# KiCad board Wonderland.kicad_pcb
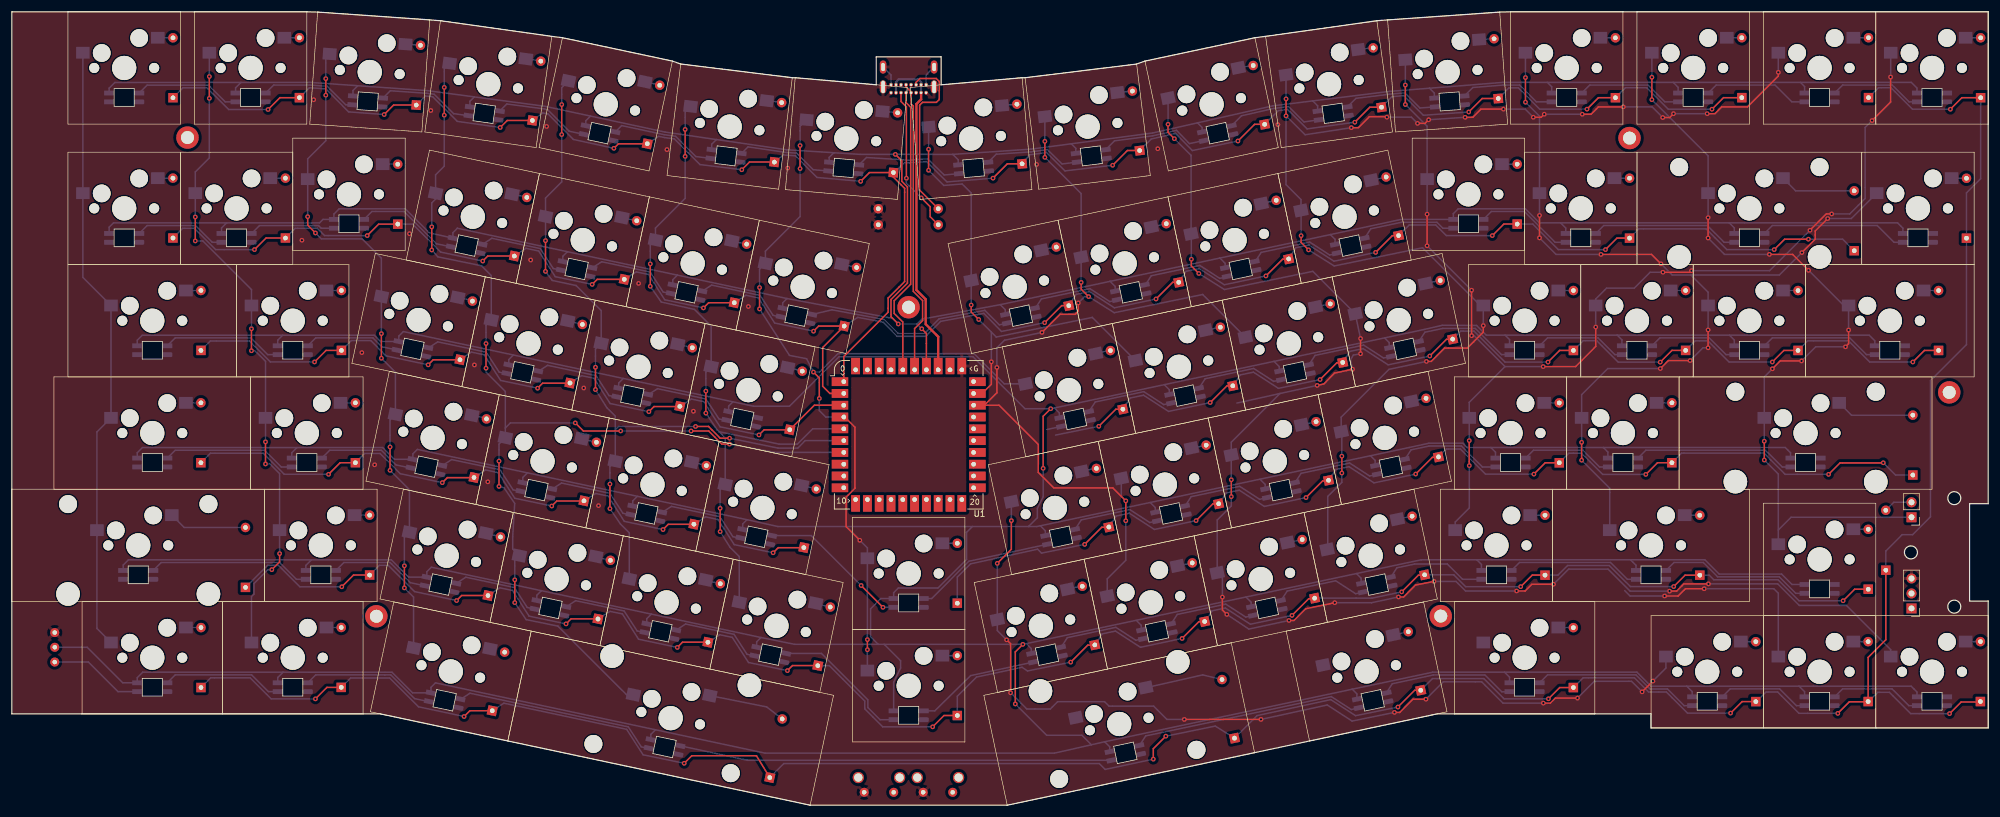
[diagram p0: board, top side]
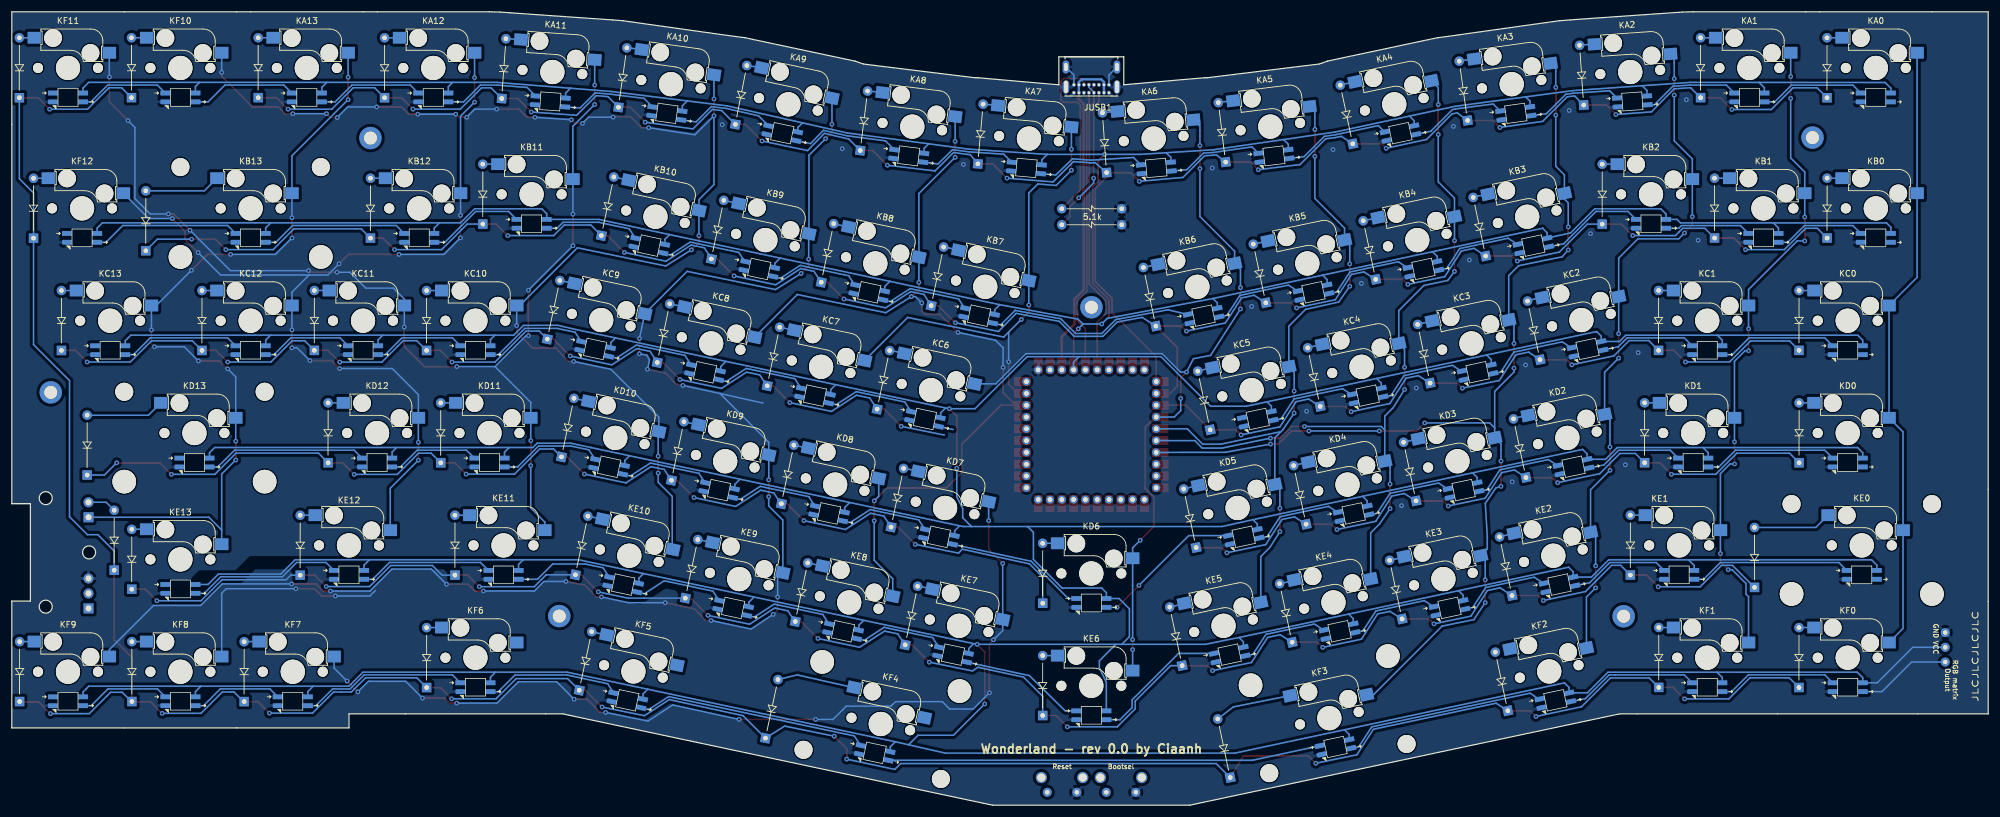
[diagram p1: board, bottom side, seen from below]

Outline 334.99 x 134.55 mm; copper layers: Top, Bottom. Coordinates in mm from the lower left corner of the outline.
Outline path: circle c321.89,42.87 r1.1 ; circle c329.24,52.07 r1.1 ; circle c329.24,33.67 r1.1 ; 0,134.55 0,15.49 62.45,15.49 84.07,10.89 135.32,0 168.72,0 210.65,8.91 241.58,15.49 277.84,15.49 277.84,13.11 334.99,13.11 334.99,34.62 331.84,34.62 331.84,51.12 334.99,51.12 334.99,134.55 254.03,134.55 252.2,134.5 233.2,133.17 231.38,133.04 212.51,130.38 210.7,130.15 192.07,126.19 190.65,125.69 171.75,123.37 171.25,123.37 157.52,122.17 157.52,126.92 146.52,126.92 146.52,122.17 132.79,123.37 132.29,123.37 113.38,125.69 111.97,126.19 93.34,130.15 91.53,130.38 72.66,133.04 70.84,133.17 51.84,134.5 50.01,134.55 0,134.55
Stack: Top 0.035mm / dielectric 1.51mm FR4 er 4.5 / Bottom 0.035mm

## Placement (name value [footprint] x y rotation side)
DA0  D  [Diode_THT]  28.58 118.88 90 top
DA1  D  [Diode_THT]  50.01 118.89 90 top
DA2  D  [Diode_THT]  69.74 117.55 86 top
DA3  D  [Diode_THT]  89.34 114.85 82 top
DA4  D  [Diode_THT]  108.71 110.82 78 top
DA5  D  [Diode_THT]  130.37 107.82 83 top
DA6  D  [Diode_THT]  150.61 106.1 86 top
DA7  D  [Diode_THT]  172.6 107.78 95 top
DA8  D  [Diode_THT]  192.57 110.09 97 top
DA9  D  [Diode_THT]  213.8 114.63 101 top
DA10  D  [Diode_THT]  233.57 117.46 98 top
DA11  D  [Diode_THT]  253.29 118.84 94 top
DA12  D  [Diode_THT]  273.07 118.88 90 top
DA13  D  [Diode_THT]  294.49 118.89 90 top
DB0  D  [Diode_THT]  28.57 95.08 90 top
DB1  D  [Diode_THT]  47.64 95.08 90 top
DB2  D  [Diode_THT]  66.68 97.44 90 top
DB3  D  [Diode_THT]  86.18 91.79 78 top
DB4  D  [Diode_THT]  104.82 87.83 78 top
DB5  D  [Diode_THT]  123.45 83.87 78 top
DB6  D  [Diode_THT]  142.09 79.91 78 top
DB7  D  [Diode_THT]  180.62 83.9 102 top
DB8  D  [Diode_THT]  199.26 87.87 102 top
DB9  D  [Diode_THT]  217.89 91.83 102 top
DB10  D  [Diode_THT]  236.52 95.79 102 top
DB11  D  [Diode_THT]  256.42 97.45 90 top
DB12  D  [Diode_THT]  275.46 95.07 90 top
DB13  D  [Diode_THT]  313.54 92.93 90 top
DC0  D  [Diode_THT]  33.32 76.03 90 top
DC1  D  [Diode_THT]  57.13 76.03 90 top
DC2  D  [Diode_THT]  76.97 74.22 78 top
DC3  D  [Diode_THT]  95.61 70.26 78 top
DC4  D  [Diode_THT]  114.24 66.29 78 top
DC5  D  [Diode_THT]  132.87 62.33 78 top
DC6  D  [Diode_THT]  189.79 66.35 102 top
DC7  D  [Diode_THT]  208.42 70.31 102 top
DC8  D  [Diode_THT]  227.05 74.27 102 top
DC9  D  [Diode_THT]  245.69 78.23 102 top
DC10  D  [Diode_THT]  265.95 76.02 90 top
DC11  D  [Diode_THT]  284.97 76.03 90 top
DC12  D  [Diode_THT]  304.02 76.02 90 top
DC13  D  [Diode_THT]  327.84 76.02 90 top
DD0  D  [Diode_THT]  33.31 56.98 90 top
DD1  D  [Diode_THT]  59.5 56.98 90 top
DD2  D  [Diode_THT]  79.35 54.23 78 top
DD3  D  [Diode_THT]  97.99 50.27 78 top
DD4  D  [Diode_THT]  116.62 46.31 78 top
DD5  D  [Diode_THT]  135.26 42.35 78 top
DD6  D  [Diode_THT]  161.52 33.16 90 top
DD7  D  [Diode_THT]  187.42 46.36 102 top
DD8  D  [Diode_THT]  206.02 50.31 102 top
DD9  D  [Diode_THT]  224.65 54.29 102 top
DD10  D  [Diode_THT]  243.29 58.25 102 top
DD11  D  [Diode_THT]  263.55 56.97 90 top
DD12  D  [Diode_THT]  282.64 56.98 90 top
DD13  D  [Diode_THT]  323.48 54.89 90 top
DE0  D  [Diode_THT]  40.87 35.84 90 top
DE1  D  [Diode_THT]  61.91 37.93 90 top
DE2  D  [Diode_THT]  81.72 34.21 78 top
DE3  D  [Diode_THT]  100.36 30.25 78 top
DE4  D  [Diode_THT]  118.99 26.29 78 top
DE5  D  [Diode_THT]  137.63 22.33 78 top
DE6  D  [Diode_THT]  161.52 14.11 90 top
DE7  D  [Diode_THT]  185.03 26.38 102 top
DE8  D  [Diode_THT]  203.66 30.34 102 top
DE9  D  [Diode_THT]  222.29 34.3 102 top
DE10  D  [Diode_THT]  240.93 38.26 102 top
DE11  D  [Diode_THT]  261.14 37.92 90 top
DE12  D  [Diode_THT]  287.37 37.91 90 top
DE13  D  [Diode_THT]  315.92 35.53 90 top
DF0  D  [Diode_THT]  33.33 18.86 90 top
DF1  D  [Diode_THT]  57.1 18.88 90 top
DF2  D  [Diode_THT]  82.43 14.68 78 top
DF3  D  [Diode_THT]  129.48 3.35 78 top
DF4  D  [Diode_THT]  208.71 10.56 102 top
DF5  D  [Diode_THT]  240.28 18.68 102 top
DF6  D  [Diode_THT]  265.94 18.85 90 top
DF7  D  [Diode_THT]  296.87 16.47 90 top
DF8  D  [Diode_THT]  315.9 16.48 90 top
DF9  D  [Diode_THT]  334.93 16.48 90 top
DF10  D  [Diode_THT]  315.97 118.89 90 top
DF11  D  [Diode_THT]  334.97 118.88 90 top
DF12  D  [Diode_THT]  332.57 95.06 90 top
DF13  D  [Diode_THT]  318.9 38.76 90 top
J1  Conn_01x03  [PinHeader_1x03_P2.54mm_Vertical]  321.99 33.37 180 top
J2  Conn_01x02  [PinHeader_1x02_P2.54mm_Vertical]  321.99 48.83 180 top
J4  Conn_01x03  [conn_3pins]  7.28 26.78 90 top
JUSB1  USB Port  [GCT_USB4085-GF-A_REVA4]  152 124.85 0 bottom
KA0  KEY_SW  [SW_Cherry_MX_1.00u_SK6812MINI-E_Hotswap]  9.52 134.55 0 top
KA1  KEY_SW  [SW_Cherry_MX_1.00u_SK6812MINI-E_Hotswap]  30.96 134.55 0 top
KA2  KEY_SW  [SW_Cherry_MX_1.00u_SK6812MINI-E_Hotswap]  51.84 134.5 356 top
KA3  KEY_SW  [SW_Cherry_MX_1.00u_SK6812MINI-E_Hotswap]  72.66 133.04 352 top
KA4  KEY_SW  [SW_Cherry_MX_1.00u_SK6812MINI-E_Hotswap]  93.34 130.15 348 top
KA5  KEY_SW  [SW_Cherry_MX_1.00u_SK6812MINI-E_Hotswap]  113.38 125.69 353 top
KA6  KEY_SW  [SW_Cherry_MX_1.00u_SK6812MINI-E_Hotswap]  132.79 123.37 355 top
KA7  KEY_SW  [SW_Cherry_MX_1.00u_SK6812MINI-E_Hotswap]  152.27 121.71 5 top
KA8  KEY_SW  [SW_Cherry_MX_1.00u_SK6812MINI-E_Hotswap]  171.75 123.37 7 top
KA9  KEY_SW  [SW_Cherry_MX_1.00u_SK6812MINI-E_Hotswap]  192.07 126.19 12 top
KA10  KEY_SW  [SW_Cherry_MX_1.00u_SK6812MINI-E_Hotswap]  212.51 130.38 8 top
KA11  KEY_SW  [SW_Cherry_MX_1.00u_SK6812MINI-E_Hotswap]  233.2 133.17 4 top
KA12  KEY_SW  [SW_Cherry_MX_1.00u_SK6812MINI-E_Hotswap]  254.03 134.55 0 top
KA13  KEY_SW  [SW_Cherry_MX_1.00u_SK6812MINI-E_Hotswap]  275.46 134.55 0 top
KB0  KEY_SW  [SW_Cherry_MX_1.00u_SK6812MINI-E_Hotswap]  9.52 110.74 0 top
KB1  KEY_SW  [SW_Cherry_MX_1.00u_SK6812MINI-E_Hotswap]  28.58 110.74 0 top
KB2  KEY_SW  [SW_Cherry_MX_1.00u_SK6812MINI-E_Hotswap]  47.62 113.12 0 top
KB3  KEY_SW  [SW_Cherry_MX_1.00u_SK6812MINI-E_Hotswap]  70.8 111.09 348 top
KB4  KEY_SW  [SW_Cherry_MX_1.00u_SK6812MINI-E_Hotswap]  89.44 107.13 348 top
KB5  KEY_SW  [SW_Cherry_MX_1.00u_SK6812MINI-E_Hotswap]  108.07 103.17 348 top
KB6  KEY_SW  [SW_Cherry_MX_1.00u_SK6812MINI-E_Hotswap]  126.71 99.21 348 top
KB7  KEY_SW  [SW_Cherry_MX_1.00u_SK6812MINI-E_Hotswap]  158.7 95.25 12 top
KB8  KEY_SW  [SW_Cherry_MX_1.00u_SK6812MINI-E_Hotswap]  177.33 99.21 12 top
KB9  KEY_SW  [SW_Cherry_MX_1.00u_SK6812MINI-E_Hotswap]  195.97 103.17 12 top
KB10  KEY_SW  [SW_Cherry_MX_1.00u_SK6812MINI-E_Hotswap]  214.6 107.13 12 top
KB11  KEY_SW  [SW_Cherry_MX_1.00u_SK6812MINI-E_Hotswap]  237.36 113.12 0 top
KB12  KEY_SW  [SW_Cherry_MX_1.00u_SK6812MINI-E_Hotswap]  256.41 110.74 0 top
KB13  KEY_SW  [SW_Cherry_MX_2.00u_SK6812MINI-E_Hotswap]  275.46 110.74 0 top
KC0  KEY_SW  [SW_Cherry_MX_1.50u_SK6812MINI-E_Hotswap]  9.52 91.69 0 top
KC1  KEY_SW  [SW_Cherry_MX_1.00u_SK6812MINI-E_Hotswap]  38.1 91.69 0 top
KC2  KEY_SW  [SW_Cherry_MX_1.00u_SK6812MINI-E_Hotswap]  61.61 93.57 348 top
KC3  KEY_SW  [SW_Cherry_MX_1.00u_SK6812MINI-E_Hotswap]  80.24 89.61 348 top
KC4  KEY_SW  [SW_Cherry_MX_1.00u_SK6812MINI-E_Hotswap]  98.88 85.65 348 top
KC5  KEY_SW  [SW_Cherry_MX_1.00u_SK6812MINI-E_Hotswap]  117.51 81.69 348 top
KC6  KEY_SW  [SW_Cherry_MX_1.00u_SK6812MINI-E_Hotswap]  167.89 77.73 12 top
KC7  KEY_SW  [SW_Cherry_MX_1.00u_SK6812MINI-E_Hotswap]  186.53 81.69 12 top
KC8  KEY_SW  [SW_Cherry_MX_1.00u_SK6812MINI-E_Hotswap]  205.16 85.65 12 top
KC9  KEY_SW  [SW_Cherry_MX_1.00u_SK6812MINI-E_Hotswap]  223.79 89.61 12 top
KC10  KEY_SW  [SW_Cherry_MX_1.00u_SK6812MINI-E_Hotswap]  246.89 91.69 0 top
KC11  KEY_SW  [SW_Cherry_MX_1.00u_SK6812MINI-E_Hotswap]  265.94 91.69 0 top
KC12  KEY_SW  [SW_Cherry_MX_1.00u_SK6812MINI-E_Hotswap]  284.99 91.69 0 top
KC13  KEY_SW  [SW_Cherry_MX_1.50u_SK6812MINI-E_Hotswap]  304.04 91.69 0 top
KD0  KEY_SW  [SW_Cherry_MX_1.75u_SK6812MINI-E_Hotswap]  7.14 72.64 0 top
KD1  KEY_SW  [SW_Cherry_MX_1.00u_SK6812MINI-E_Hotswap]  40.48 72.64 0 top
KD2  KEY_SW  [SW_Cherry_MX_1.00u_SK6812MINI-E_Hotswap]  63.99 73.59 348 top
KD3  KEY_SW  [SW_Cherry_MX_1.00u_SK6812MINI-E_Hotswap]  82.63 69.63 348 top
KD4  KEY_SW  [SW_Cherry_MX_1.00u_SK6812MINI-E_Hotswap]  101.26 65.67 348 top
KD5  KEY_SW  [SW_Cherry_MX_1.00u_SK6812MINI-E_Hotswap]  119.89 61.71 348 top
KD6  KEY_SW  [SW_Cherry_MX_1.00u_SK6812MINI-E_Hotswap]  142.49 48.83 0 top
KD7  KEY_SW  [SW_Cherry_MX_1.00u_SK6812MINI-E_Hotswap]  165.51 57.74 12 top
KD8  KEY_SW  [SW_Cherry_MX_1.00u_SK6812MINI-E_Hotswap]  184.14 61.71 12 top
KD9  KEY_SW  [SW_Cherry_MX_1.00u_SK6812MINI-E_Hotswap]  202.78 65.67 12 top
KD10  KEY_SW  [SW_Cherry_MX_1.00u_SK6812MINI-E_Hotswap]  221.41 69.63 12 top
KD11  KEY_SW  [SW_Cherry_MX_1.00u_SK6812MINI-E_Hotswap]  244.51 72.64 0 top
KD12  KEY_SW  [SW_Cherry_MX_1.00u_SK6812MINI-E_Hotswap]  263.56 72.64 0 top
KD13  KEY_SW  [SW_Cherry_MX_2.25u_SK6812MINI-E_Hotswap]  282.61 72.64 0 top
KE0  KEY_SW  [SW_Cherry_MX_2.25u_SK6812MINI-E_Hotswap]  0 53.59 0 top
KE1  KEY_SW  [SW_Cherry_MX_1.00u_SK6812MINI-E_Hotswap]  42.86 53.59 0 top
KE2  KEY_SW  [SW_Cherry_MX_1.00u_SK6812MINI-E_Hotswap]  66.37 53.61 348 top
KE3  KEY_SW  [SW_Cherry_MX_1.00u_SK6812MINI-E_Hotswap]  85.01 49.64 348 top
KE4  KEY_SW  [SW_Cherry_MX_1.00u_SK6812MINI-E_Hotswap]  103.64 45.68 348 top
KE5  KEY_SW  [SW_Cherry_MX_1.00u_SK6812MINI-E_Hotswap]  122.27 41.72 348 top
KE6  KEY_SW  [SW_Cherry_MX_1.00u_SK6812MINI-E_Hotswap]  142.49 29.78 0 top
KE7  KEY_SW  [SW_Cherry_MX_1.00u_SK6812MINI-E_Hotswap]  163.13 37.76 12 top
KE8  KEY_SW  [SW_Cherry_MX_1.00u_SK6812MINI-E_Hotswap]  181.76 41.72 12 top
KE9  KEY_SW  [SW_Cherry_MX_1.00u_SK6812MINI-E_Hotswap]  200.4 45.68 12 top
KE10  KEY_SW  [SW_Cherry_MX_1.00u_SK6812MINI-E_Hotswap]  219.03 49.64 12 top
KE11  KEY_SW  [SW_Cherry_MX_1.00u_SK6812MINI-E_Hotswap]  242.12 53.59 0 top
KE12  KEY_SW  [SW_Cherry_MX_1.75u_SK6812MINI-E_Hotswap]  261.17 53.59 0 top
KE13  KEY_SW  [SW_Cherry_MX_1.00u_SK6812MINI-E_Hotswap]  296.89 51.21 0 top
KF0  KEY_SW  [SW_Cherry_MX_1.25u_SK6812MINI-E_Hotswap]  11.91 34.54 0 top
KF1  KEY_SW  [SW_Cherry_MX_1.25u_SK6812MINI-E_Hotswap]  35.72 34.54 0 top
KF2  KEY_SW  [SW_Cherry_MX_1.25u_SK6812MINI-E_Hotswap]  64.74 34.48 348 top
KF3  KEY_SW  [SW_Cherry_MX_2.75u_SK6812MINI-E_Hotswap_Reversed]  88.03 29.53 348 top
KF4  KEY_SW  [SW_Cherry_MX_2.25u_SK6812MINI-E_Hotswap_Reversed]  164.76 18.63 12 top
KF5  KEY_SW  [SW_Cherry_MX_1.25u_SK6812MINI-E_Hotswap]  216 29.53 12 top
KF6  KEY_SW  [SW_Cherry_MX_1.25u_SK6812MINI-E_Hotswap]  244.51 34.54 0 top
KF7  KEY_SW  [SW_Cherry_MX_1.00u_SK6812MINI-E_Hotswap]  277.84 32.16 0 top
KF8  KEY_SW  [SW_Cherry_MX_1.00u_SK6812MINI-E_Hotswap]  296.89 32.16 0 top
KF9  KEY_SW  [SW_Cherry_MX_1.00u_SK6812MINI-E_Hotswap]  315.94 32.16 0 top
KF10  KEY_SW  [SW_Cherry_MX_1.00u_SK6812MINI-E_Hotswap]  296.89 134.55 0 top
KF11  KEY_SW  [SW_Cherry_MX_1.00u_SK6812MINI-E_Hotswap]  315.94 134.55 0 top
KF12  KEY_SW  [SW_Cherry_MX_1.00u_SK6812MINI-E_Hotswap]  313.56 110.74 0 top
MountTopMiddle1  MountingHole  [MountingHole_2.2mm_M2_Pad]  29.78 113.22 0 top
MountTopMiddle2  MountingHole  [MountingHole_2.2mm_M2_Pad]  61.79 32.04 0 top
MountTopMiddle3  MountingHole  [MountingHole_2.2mm_M2_Pad]  152 84.45 0 top
MountTopMiddle4  MountingHole  [MountingHole_2.2mm_M2_Pad]  242.2 32.07 0 top
MountTopMiddle5  MountingHole  [MountingHole_2.2mm_M2_Pad]  274.2 113.14 0 top
MountTopMiddle6  MountingHole  [MountingHole_2.2mm_M2_Pad]  328.39 70.01 0 top
R1  5.1k  [Resistors_THT]  146.87 98.43 0 top
R2  5.1k  [Resistors_THT]  146.87 101.15 0 top
RSW0  -  [SW_RST]  156.98 2.19 180 top
RSW1  -  [SW_RST]  146.98 2.19 180 top
U1  RP2040_Stamp  [RP2040_Stamp_THT]  152.02 62.83 0 top

## Library data of the parts
J2 = -: Description: Generic connector, single row, 01x02, script generated (kicad-library-utils/schlib/autogen/connector/)
JUSB1 = -: MANUFACTURER: Global Connector Technology; MAXIMUM_PACKAGE_HEIGHT: 3.46mm; PARTREV: A4; STANDARD: Manufacturer Recommendations
KA0-KA13 KB0-KB12 KC1-KC12 KD1-KD12 KE1-KE11 KE13 KF7-KF12 = -: Field4: D?; Field5: SW_PUSH
KB13 KF3 = -: Field4: D?; Field5: D?
KC0 KC13 KD0 KD13 KE0 KE12 KF0-KF2 KF4-KF6 = -: Field4: D?

## Footprints (pads in the part's own frame, mm; a bottom-side part is the same pattern mirrored in y, then rotated)
conn_3pins
  round 1.524 hole 0.762: 1(-2.5,0) 2(0,0) 3(2.5,0)
Diode_THT
  rect 1.6x1.6 hole 0.8: 1(1.1,1.263)
  oval 1.6x1.6 hole 0.8: 2(11.26,1.263)
GCT_USB4085-GF-A_REVA4
  round 0.65 hole 0.4: A1(-2.975,4.025) A4(-2.125,4.025) A5(-1.275,4.025) A6(-0.425,4.025) A7(0.425,4.025) A8(1.275,4.025) A9(2.125,4.025) A12(2.975,4.025) B1(2.975,2.675) B4(2.125,2.675) B5(1.275,2.675) B6(0.425,2.675) B7(-0.425,2.675) B8(-1.275,2.675) B9(-2.125,2.675) B12(-2.975,2.675)
  oval 1.108x2.216 hole 0.6x2.1: P1(-4.325,3.045) P2(4.325,3.045)
  oval 1.108x2.216 hole 0.6x1.4: P3(4.325,-0.335) P4(-4.325,-0.335)
MountingHole_2.2mm_M2_Pad
  round 3.8 hole 2.2: 1(0,0)
PinHeader_1x02_P2.54mm_Vertical
  rect 1.7x1.7 hole 1: 1(0,0)
  oval 1.7x1.7 hole 1: 2(0,-2.54)
PinHeader_1x03_P2.54mm_Vertical
  rect 1.7x1.7 hole 1: 1(0,0)
  oval 1.7x1.7 hole 1: 2(0,-2.54) 3(0,-5.08)
Resistors_THT
  round 1.6 hole 0.8: 1(0,0)
  oval 1.6x1.6 hole 0.8: 2(10.16,0)
RP2040_Stamp_THT
  rect 2.8x1.5 smd: 1(-11.65,9) 2(-11.65,7) 3(-11.65,5) 4(-11.65,3) 5(-11.65,1) 6(-11.65,-1) 7(-11.65,-3) 8(-11.65,-5) 9(-11.65,-7) 10(-11.65,-9) 21(11.65,-9) 22(11.65,-7) 23(11.65,-5) 24(11.65,-3) 25(11.65,-1) 26(11.65,1) 27(11.65,3) 28(11.65,5) 29(11.65,7) 30(11.65,9)
  round 1.35 hole 0.8: 1(-11,9)
  oval 1.35x1.35 hole 0.8: 2(-11,7) 3(-11,5) 4(-11,3) 5(-11,1) 6(-11,-1) 7(-11,-3) 8(-11,-5) 9(-11,-7) 10(-11,-9) 11(-9,-11) 12(-7,-11) 13(-5,-11) 14(-3,-11) 15(-1,-11) 16(1,-11) 17(3,-11) 18(5,-11) 19(7,-11) 20(9,-11) 21(11,-9) 22(11,-7) 23(11,-5) 24(11,-3) 25(11,-1) 26(11,1) 27(11,3) 28(11,5) 29(11,7) 30(11,9) 31(9,11) 32(7,11) 33(5,11) 34(3,11) 35(1,11) 36(-1,11) 37(-3,11) 38(-5,11) 39(-7,11) 40(-9,11)
  rect 1.5x2.8 smd: 11(-9,-11.65) 12(-7,-11.65) 13(-5,-11.65) 14(-3,-11.65) 15(-1,-11.65) 16(1,-11.65) 17(3,-11.65) 18(5,-11.65) 19(7,-11.65) 20(9,-11.65) 31(9,11.65) 32(7,11.65) 33(5,11.65) 34(3,11.65) 35(1,11.65) 36(-1,11.65) 37(-3,11.65) 38(-5,11.65) 39(-7,11.65) 40(-9,11.65)
SW_Cherry_MX_1.00u_SK6812MINI-E_Hotswap
  round 1.7 hole 1.7 unplated: (4.445,-9.525) (14.605,-9.525)
  round 3 hole 3 unplated: (5.715,-6.985) (12.065,-4.445)
  round 4.1 hole 4.1 unplated: (9.525,-9.525)
  rect 2.3x2 smd far side: 1(2.525,-6.945) 2(15.225,-4.405)
  rect 1.7x0.82 smd far side: 3(6.975,-13.775) 4(6.975,-15.275) 6(12.075,-13.775)
  rrect 1.7x0.82 smd far side: 5(12.075,-15.275)
SW_Cherry_MX_1.25u_SK6812MINI-E_Hotswap
  round 1.7 hole 1.7 unplated: (6.826,-9.525) (16.986,-9.525)
  round 3 hole 3 unplated: (8.096,-6.985) (14.446,-4.445)
  round 4.1 hole 4.1 unplated: (11.906,-9.525)
  rect 2.3x2 smd far side: 1(4.906,-6.945) 2(17.606,-4.405)
  rect 1.7x0.82 smd far side: 3(9.356,-13.775) 4(9.356,-15.275) 6(14.456,-13.775)
  rrect 1.7x0.82 smd far side: 5(14.456,-15.275)
SW_Cherry_MX_1.50u_SK6812MINI-E_Hotswap
  round 1.7 hole 1.7 unplated: (9.207,-9.525) (19.367,-9.525)
  round 3 hole 3 unplated: (10.477,-6.985) (16.828,-4.445)
  round 4.1 hole 4.1 unplated: (14.287,-9.525)
  rect 2.3x2 smd far side: 1(7.287,-6.945) 2(19.988,-4.405)
  rect 1.7x0.82 smd far side: 3(11.738,-13.775) 4(11.738,-15.275) 6(16.837,-13.775)
  rrect 1.7x0.82 smd far side: 5(16.837,-15.275)
SW_Cherry_MX_1.75u_SK6812MINI-E_Hotswap
  round 1.7 hole 1.7 unplated: (11.589,-9.525) (21.749,-9.525)
  round 3 hole 3 unplated: (12.859,-6.985) (19.209,-4.445)
  round 4.1 hole 4.1 unplated: (16.669,-9.525)
  rect 2.3x2 smd far side: 1(9.669,-6.945) 2(22.369,-4.405)
  rect 1.7x0.82 smd far side: 3(14.119,-13.775) 4(14.119,-15.275) 6(19.219,-13.775)
  rrect 1.7x0.82 smd far side: 5(19.219,-15.275)
SW_Cherry_MX_2.00u_SK6812MINI-E_Hotswap
  round 3.05 hole 3.05 unplated: (7.15,-2.525) (30.95,-2.525)
  round 4 hole 4 unplated: (7.15,-17.765) (30.95,-17.765)
  round 1.7 hole 1.7 unplated: (13.97,-9.525) (24.13,-9.525)
  round 3 hole 3 unplated: (15.24,-6.985) (21.59,-4.445)
  round 4.1 hole 4.1 unplated: (19.05,-9.525)
  rect 2.3x2 smd far side: 1(12.05,-6.945) 2(24.75,-4.405)
  rect 1.7x0.82 smd far side: 3(16.5,-13.775) 4(16.5,-15.275) 6(21.6,-13.775)
  rrect 1.7x0.82 smd far side: 5(21.6,-15.275)
SW_Cherry_MX_2.25u_SK6812MINI-E_Hotswap
  round 3.05 hole 3.05 unplated: (9.531,-2.525) (33.331,-2.525)
  round 4 hole 4 unplated: (9.531,-17.765) (33.331,-17.765)
  round 1.7 hole 1.7 unplated: (16.351,-9.525) (26.511,-9.525)
  round 3 hole 3 unplated: (17.621,-6.985) (23.971,-4.445)
  round 4.1 hole 4.1 unplated: (21.431,-9.525)
  rect 2.3x2 smd far side: 1(14.431,-6.945) 2(27.131,-4.405)
  rect 1.7x0.82 smd far side: 3(18.881,-13.775) 4(18.881,-15.275) 6(23.981,-13.775)
  rrect 1.7x0.82 smd far side: 5(23.981,-15.275)
SW_Cherry_MX_2.25u_SK6812MINI-E_Hotswap_Reversed
  round 4 hole 4 unplated: (9.531,-1.29) (33.331,-1.29)
  round 3.05 hole 3.05 unplated: (9.531,-16.529) (33.331,-16.529)
  round 1.7 hole 1.7 unplated: (16.351,-9.525) (26.511,-9.525)
  round 3 hole 3 unplated: (17.621,-6.985) (23.971,-4.445)
  round 4.1 hole 4.1 unplated: (21.431,-9.525)
  rect 2.3x2 smd far side: 1(14.431,-6.945) 2(27.131,-4.405)
  rect 1.7x0.82 smd far side: 3(18.881,-13.775) 4(18.881,-15.275) 6(23.981,-13.775)
  rrect 1.7x0.82 smd far side: 5(23.981,-15.275)
SW_Cherry_MX_2.75u_SK6812MINI-E_Hotswap_Reversed
  round 4 hole 4 unplated: (14.294,-1.29) (38.094,-1.29)
  round 3.05 hole 3.05 unplated: (14.294,-16.529) (38.094,-16.529)
  round 1.7 hole 1.7 unplated: (21.114,-9.525) (31.274,-9.525)
  round 3 hole 3 unplated: (22.384,-6.985) (28.734,-4.445)
  round 4.1 hole 4.1 unplated: (26.194,-9.525)
  rect 2.3x2 smd far side: 1(19.194,-6.945) 2(31.894,-4.405)
  rect 1.7x0.82 smd far side: 3(23.644,-13.775) 4(23.644,-15.275) 6(28.744,-13.775)
  rrect 1.7x0.82 smd far side: 5(28.744,-15.275)
SW_RST
  round 1.524 hole 0.762: 1(-2.5,0) 2(2.5,0)
  round 1.9 hole 1.4: 3(-3.5,-2.5) 3(3.5,-2.5)

## Nets
+5V: JUSB1.A4 JUSB1.A9 JUSB1.B4 JUSB1.B9 U1.33
GND: J1.3 J4.3 JUSB1.A1 JUSB1.A12 JUSB1.B1 JUSB1.B12 JUSB1.P1 JUSB1.P2 JUSB1.P3 JUSB1.P4 KA0.5 KA1.5 KA2.5 KA3.5 KA4.5 KA5.5 KA6.5 KA7.5 KA8.5 KA9.5 KA10.5 KA11.5 KA12.5 KA13.5 KB0.5 KB1.5 KB2.5 KB3.5 KB4.5 KB5.5 KB6.5 KB7.5 KB8.5 KB9.5 KB10.5 KB11.5 KB12.5 KB13.5 KC0.5 KC1.5 KC2.5 KC3.5 KC4.5 KC5.5 KC6.5 KC7.5 KC8.5 KC9.5 KC10.5 KC11.5 KC12.5 KC13.5 KD0.5 KD1.5 KD2.5 KD3.5 KD4.5 KD5.5 KD6.5 KD7.5 KD8.5 KD9.5 KD10.5 KD11.5 KD12.5 KD13.5 KE0.5 KE1.5 KE2.5 KE3.5 KE4.5 KE5.5 KE6.5 KE7.5 KE8.5 KE9.5 KE10.5 KE11.5 KE12.5 KE13.5 KF0.5 KF1.5 KF2.5 KF3.5 KF4.5 KF5.5 KF6.5 KF7.5 KF8.5 KF9.5 KF10.5 KF11.5 KF12.5 R1.1 R2.1 RSW0.2 RSW1.2 U1.31
VCC: J4.2 KA0.3 KA1.3 KA2.3 KA3.3 KA4.3 KA5.3 KA6.3 KA7.3 KA8.3 KA9.3 KA10.3 KA11.3 KA12.3 KA13.3 KB0.3 KB1.3 KB2.3 KB3.3 KB4.3 KB5.3 KB6.3 KB7.3 KB8.3 KB9.3 KB10.3 KB11.3 KB12.3 KB13.3 KC0.3 KC1.3 KC2.3 KC3.3 KC4.3 KC5.3 KC6.3 KC7.3 KC8.3 KC9.3 KC10.3 KC11.3 KC12.3 KC13.3 KD0.3 KD1.3 KD2.3 KD3.3 KD4.3 KD5.3 KD6.3 KD7.3 KD8.3 KD9.3 KD10.3 KD11.3 KD12.3 KD13.3 KE0.3 KE1.3 KE2.3 KE3.3 KE4.3 KE5.3 KE6.3 KE7.3 KE8.3 KE9.3 KE10.3 KE11.3 KE12.3 KE13.3 KF0.3 KF1.3 KF2.3 KF3.3 KF4.3 KF5.3 KF6.3 KF7.3 KF8.3 KF9.3 KF10.3 KF11.3 KF12.3 U1.34
/IN_A0: KA0.6 KA1.4
/IN_A1: KA1.6 KA2.4
/IN_A2: KA2.6 KA3.4
/IN_A3: KA3.6 KA4.4
/IN_A4: KA4.6 KA5.4
/IN_A5: KA5.6 KA6.4
/IN_A6: KA6.6 KA7.4
/IN_A7: KA7.6 KA8.4
/IN_A8: KA8.6 KA9.4
/IN_A9: KA9.6 KA10.4
/IN_A10: KA10.6 KA11.4
/IN_A11: KA11.6 KA12.4
/IN_A12: KA12.6 KA13.4
/IN_A13: KA13.6 KF10.4
/IN_B0: KB0.6 KB1.4
/IN_B1: KB1.6 KB2.4
/IN_B2: KB2.6 KB3.4
/IN_B3: KB3.6 KB4.4
/IN_B4: KB4.6 KB5.4
/IN_B5: KB5.6 KB6.4
/IN_B6: KB6.6 KB7.4
/IN_B7: KB7.6 KB8.4
/IN_B8: KB8.6 KB9.4
/IN_B9: KB9.6 KB10.4
/IN_B10: KB10.6 KB11.4
/IN_B11: KB11.6 KB12.4
/IN_B12: KB12.6 KB13.4
/IN_B13: KB13.6 KF12.4
/IN_C0: KC0.6 KC1.4
/IN_C1: KC1.6 KC2.4
/IN_C2: KC2.6 KC3.4
/IN_C3: KC3.6 KC4.4
/IN_C4: KC4.6 KC5.4
/IN_C5: KC5.6 KC6.4
/IN_C6: KC6.6 KC7.4
/IN_C7: KC7.6 KC8.4
/IN_C8: KC8.6 KC9.4
/IN_C9: KC9.6 KC10.4
/IN_C10: KC10.6 KC11.4
/IN_C11: KC11.6 KC12.4
/IN_C12: KC12.6 KC13.4
/IN_C13: KB0.4 KC13.6
/IN_D0: KD0.6 KD1.4
/IN_D1: KD1.6 KD2.4
/IN_D2: KD2.6 KD3.4
/IN_D3: KD3.6 KD4.4
/IN_D4: KD4.6 KD5.4
/IN_D5: KD5.6 KD6.4
/IN_D6: KD6.6 KD7.4
/IN_D7: KD7.6 KD8.4
/IN_D8: KD8.6 KD9.4
/IN_D9: KD9.6 KD10.4
/IN_D10: KD10.6 KD11.4
/IN_D11: KD11.6 KD12.4
/IN_D12: KD12.6 KD13.4
/IN_D13: KC0.4 KD13.6
/IN_E0: KE0.6 KE1.4
/IN_E1: KE1.6 KE2.4
/IN_E2: KE2.6 KE3.4
/IN_E3: KE3.6 KE4.4
/IN_E4: KE4.6 KE5.4
/IN_E5: KE5.6 KE6.4
/IN_E6: KE6.6 KE7.4
/IN_E7: KE7.6 KE8.4
/IN_E8: KE8.6 KE9.4
/IN_E9: KE9.6 KE10.4
/IN_E10: KE10.6 KE11.4
/IN_E11: KE11.6 KE12.4
/IN_E12: KE12.6 KE13.4
/IN_E13: KE13.6
/IN_F0: KF0.6 KF1.4
/IN_F1: KF1.6 KF2.4
/IN_F2: KF2.6 KF3.4
/IN_F3: KF3.6 KF4.4
/IN_F4: KF4.6 KF5.4
/IN_F5: KF5.6 KF6.4
/IN_F6: KF6.6 KF7.4
/IN_F7: KF7.6 KF8.4
/IN_F8: KF8.6 KF9.4
/IN_F9: KE0.4 KF9.6
/IN_F10: KF10.6 KF11.4
/IN_F12: KA0.4 KF12.6
/KC13_out: DC13.2 KC13.2
/KD12_out: DD12.2 KD12.2
/KE0_out: DE0.2 KE0.2
/OUT_D0: KD0.4
/SW99B: DF13.2 J2.2
BOOTSEL: RSW1.1 U1.40
col00: KA0.1 KB0.1 KC0.1 KD0.1 KE0.1 KF0.1 U1.10
col01: KA1.1 KB1.1 KC1.1 KD1.1 KE1.1 KF1.1 U1.9
col02: KA2.1 KB2.1 KC2.1 KD2.1 KE2.1 KF2.1 U1.8
col03: KA3.1 KB3.1 KC3.1 KD3.1 KE3.1 KF3.1 U1.7
col04: KA4.1 KB4.1 KC4.1 KD4.1 KE4.1 KF4.1 U1.6
col05: KA5.1 KB5.1 KC5.1 KD5.1 KE5.1 KF5.1 U1.5
col06: KA6.1 KB6.1 KC6.1 KD6.1 KE6.1 KF6.1 U1.4
col07: KA7.1 KB7.1 KC7.1 KD7.1 KE7.1 KF7.1 U1.29
col08: KA8.1 KB8.1 KC8.1 KD8.1 KE8.1 KF8.1 U1.28
col09: KA9.1 KB9.1 KC9.1 KD9.1 KE9.1 KF9.1 U1.27
col10: KA10.1 KB10.1 KC10.1 KD10.1 KE10.1 KF10.1 U1.26
col11: KA11.1 KB11.1 KC11.1 KD11.1 KE11.1 KF11.1 U1.25
col12: KA12.1 KB12.1 KC12.1 KD12.1 KE12.1 KF12.1 U1.24
col13: J2.1 KA13.1 KB13.1 KC13.1 KD13.1 KE13.1 U1.23
D+: JUSB1.A6 JUSB1.B6 U1.36
D-: JUSB1.A7 JUSB1.B7 U1.35
ENCA: J1.1 U1.19
ENCB: J1.2 U1.18
RESET: RSW0.1 U1.39
RGB_Matrix: KF11.6 U1.30
RGB_Out: J4.1 KF0.4
row00: DA0.1 DA1.1 DA2.1 DA3.1 DA4.1 DA5.1 DA6.1 DA7.1 DA8.1 DA9.1 DA10.1 DA11.1 DA12.1 DA13.1 U1.1
row01: DB0.1 DB1.1 DB2.1 DB3.1 DB4.1 DB5.1 DB6.1 DB7.1 DB8.1 DB9.1 DB10.1 DB11.1 DB12.1 DB13.1 U1.2
row02: DC0.1 DC1.1 DC2.1 DC3.1 DC4.1 DC5.1 DC6.1 DC7.1 DC8.1 DC9.1 DC10.1 DC11.1 DC12.1 DC13.1 U1.3
row03: DD0.1 DD1.1 DD2.1 DD3.1 DD4.1 DD5.1 DD6.1 DD7.1 DD8.1 DD9.1 DD10.1 DD11.1 DD12.1 DD13.1 U1.14